# Altium PCB 2012_FDP_PCB.PcbDoc (part 2 of 3)
Units mil, origin at the board's own origin, x right, y up, seen from the top; angles counter-clockwise.
Board outline 5511.81 x 10236.22 mil, 4 copper layers (1-TOP, 2-GND, 3-SIGNAL, 4-BOT); 256 components, 200 nets, 1006 pads, 500 vias.
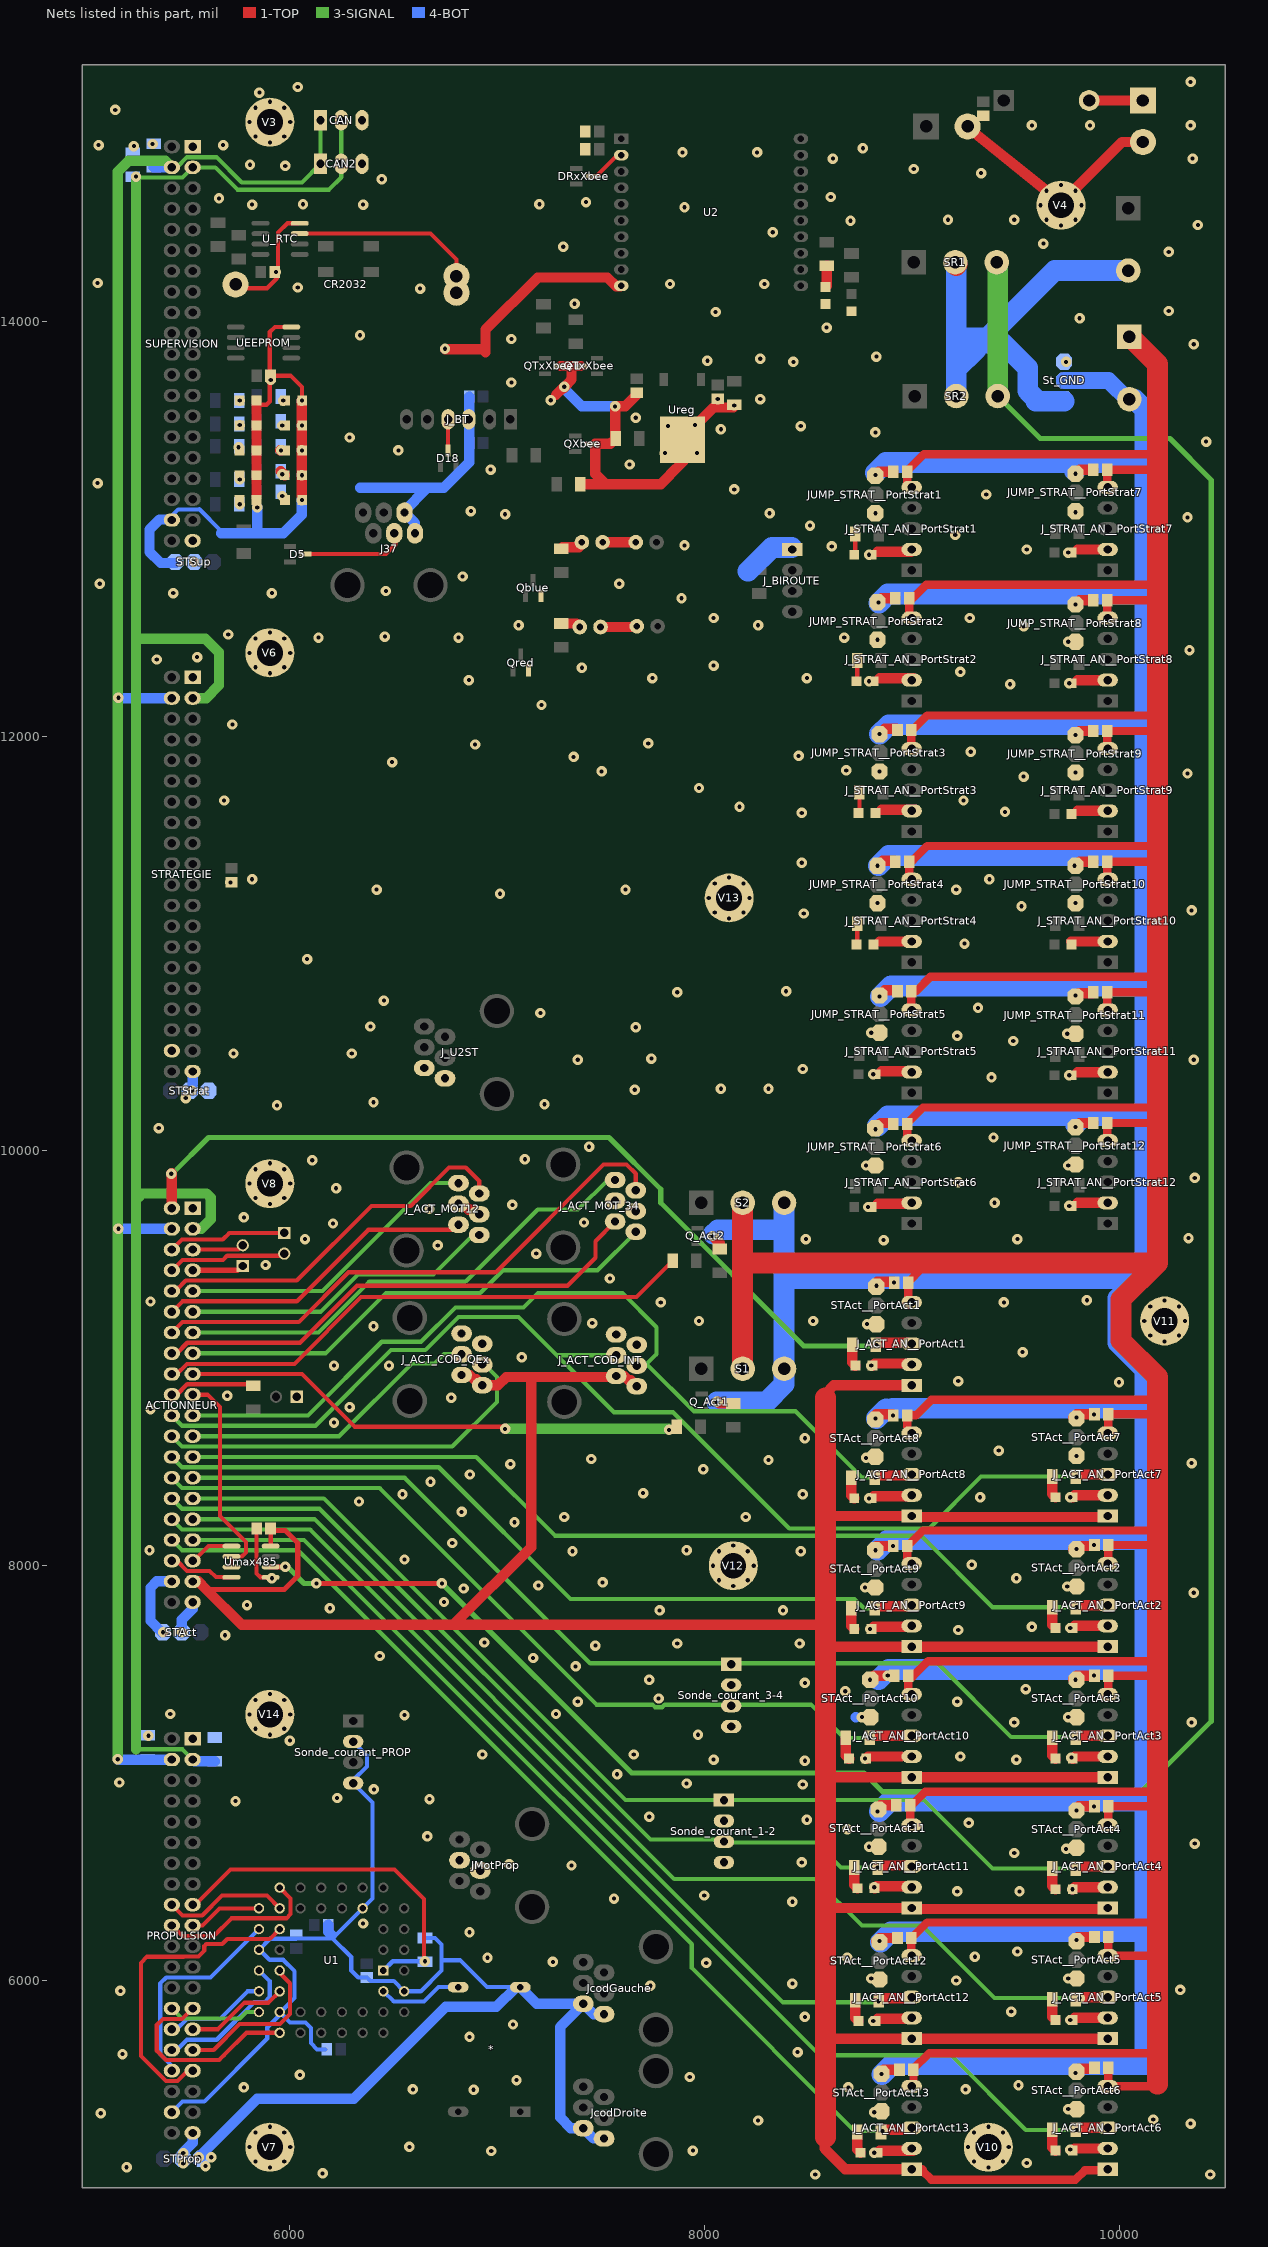
[diagram p4: the nets of this part, all layers, seen from the top]

## Via types
v1: diameter 50, hole 20, 1-TOP to 4-BOT, 500 vias

## Nets (pads, with @x,y where several pads share a name; then routed paths per layer and width w, separated by ;. In a path a pad name is that pad's centre, name@x,y a point inside that pad or via, vN(x,y) a via of type N, cw(c..) or ccw(c..) an arc to the next point about the centre after c; other vN are vias at no path point) (continued)
24V: Cd24strat_PortStrat1.1 Cd24strat_PortStrat2.1 Cd24strat_PortStrat3.1 Cd24strat_PortStrat4.1 Cd24strat_PortStrat5.1 Cd24strat_PortStrat6.1 Cd24strat_PortStrat7.1 Cd24strat_PortStrat8.1 Cd24strat_PortStrat9.1 Cd24strat_PortStrat10.1 Cd24strat_PortStrat11.1 Cd24strat_PortStrat12.1 CdAct__PortAct1.1 CdAct__PortAct2.1 CdAct__PortAct3.1 CdAct__PortAct4.1 CdAct__PortAct5.1 CdAct__PortAct6.1 CdAct__PortAct7.1 CdAct__PortAct8.1 CdAct__PortAct9.1 CdAct__PortAct10.1 CdAct__PortAct11.1 CdAct__PortAct12.1 CdAct__PortAct13.1 J_ACT_AN__PortAct1.5 J_ACT_AN__PortAct2.5 J_ACT_AN__PortAct3.5 J_ACT_AN__PortAct4.5 J_ACT_AN__PortAct5.5 J_ACT_AN__PortAct6.5 J_ACT_AN__PortAct7.5 J_ACT_AN__PortAct8.5 J_ACT_AN__PortAct9.5 J_ACT_AN__PortAct10.5 J_ACT_AN__PortAct11.5 J_ACT_AN__PortAct12.5 J_ACT_AN__PortAct13.5 J_STRAT_AN__PortStrat1.5 J_STRAT_AN__PortStrat2.5 J_STRAT_AN__PortStrat3.5 J_STRAT_AN__PortStrat4.5 J_STRAT_AN__PortStrat5.5 J_STRAT_AN__PortStrat6.5 J_STRAT_AN__PortStrat7.5 J_STRAT_AN__PortStrat8.5 J_STRAT_AN__PortStrat9.5 J_STRAT_AN__PortStrat10.5 J_STRAT_AN__PortStrat11.5 J_STRAT_AN__PortStrat12.5 JalimeBlal24V.1 S1.2 S2.2 | length 30368.1
  1-TOP w40: CdAct__PortAct8.1@8975,8725 CdAct__PortAct8.1@8978.46,8725 ; J_ACT_AN__PortAct9.5@8978.46,8036.54 CdAct__PortAct9.1@8978.46,8095 ; 8978.46,8671.54 CdAct__PortAct8.1@8978.46,8725 ; J_STRAT_AN__PortStrat6.5@8978.46,10071.54 Cd24strat_PortStrat6.1@8978.46,10130 ; Cd24strat_PortStrat1.1@8978.46,13275 8978.46,13211.54 J_STRAT_AN__PortStrat1.5@8985,13205 ; Cd24strat_PortStrat1.1@8980,13280 9060,13360 10140,13360 ; CdAct__PortAct1.1@8981.73,9366.73 9050,9435 ; J_ACT_AN__PortAct10.5@8983.46,7396.54 CdAct__PortAct10.1@8983.46,7470 ; J_ACT_AN__PortAct1.5@8983.46,9281.54 CdAct__PortAct1.1@8983.46,9365 ; CdAct__PortAct9.1@8985,8100 9055,8170 10145,8170 ; Cd24strat_PortStrat6.1@8985,10140 9055,10210 10145,10210 ; J_STRAT_AN__PortStrat4.5@8988.46,11321.54 Cd24strat_PortStrat4.1@8988.46,11395 ; J_STRAT_AN__PortStrat2.5@8988.46,12581.54 Cd24strat_PortStrat2.1@8988.46,12665 ; J_ACT_AN__PortAct11.5@8993.46,6771.54 CdAct__PortAct11.1@8993.46,6845 ; CdAct__PortAct11.1@8995,6840 9065,6910 10155,6910 ; J_ACT_AN__PortAct12.5@8998.46,6121.54 CdAct__PortAct12.1@8998.46,6205 ; J_STRAT_AN__PortStrat5.5@8998.46,10691.54 Cd24strat_PortStrat5.1@8998.46,10770 ; J_STRAT_AN__PortStrat3.5@8998.46,11951.54 Cd24strat_PortStrat3.1@8998.46,12030 ; CdAct__PortAct12.1@9000,6205 9075,6280 10160,6280 ; Cd24strat_PortStrat2.1@9000,12660 9070,12730 10160,12730 ; CdAct__PortAct10.1@9005,7465 9080,7540 10165,7540 ; Cd24strat_PortStrat4.1@9005,11400 9075,11470 10165,11470 ; Cd24strat_PortStrat3.1@9005,12030 9075,12100 10165,12100 ; J_ACT_AN__PortAct13.5@9008.46,5496.54 CdAct__PortAct13.1@9008.46,5570 ; CdAct__PortAct13.1@9010,5575 9085,5650 10170,5650 ; Cd24strat_PortStrat5.1@9020,10770 9090,10840 10180,10840 ; J_STRAT_AN__PortStrat12.5@9943.46,10056.54 Cd24strat_PortStrat12.1@9943.46,10135 10165,10135 ; J_STRAT_AN__PortStrat11.5@9943.46,10691.54 Cd24strat_PortStrat11.1@9943.46,10765 10185,10765 ; J_STRAT_AN__PortStrat10.5@9943.46,11311.54 Cd24strat_PortStrat10.1@9943.46,11395 10180,11395 ; J_STRAT_AN__PortStrat9.5@9943.46,11951.54 Cd24strat_PortStrat9.1@9943.46,12025 10180,12025 ; J_STRAT_AN__PortStrat8.5@9943.46,12581.54 Cd24strat_PortStrat8.1@9943.46,12655 10180,12655 ; J_STRAT_AN__PortStrat7.5@9943.46,13216.54 Cd24strat_PortStrat7.1@9943.46,13285 10145,13285 ; J_ACT_AN__PortAct6.5@9945,5490 10175,5490 ; J_ACT_AN__PortAct5.5@9945,6120 10155,6120 ; J_ACT_AN__PortAct6.5@9948.46,5496.54 CdAct__PortAct6.1@9948.46,5580 ; J_ACT_AN__PortAct5.5@9948.46,6123.46 CdAct__PortAct5.1@9948.46,6210 ; J_ACT_AN__PortAct4.5@9948.46,6761.54 CdAct__PortAct4.1@9948.46,6840 10165,6840 ; J_ACT_AN__PortAct3.5@9948.46,7398.46 CdAct__PortAct3.1@9948.46,7470 10155,7470 ; J_ACT_AN__PortAct2.5@9948.46,8016.54 CdAct__PortAct2.1@9948.46,8100 10175,8100 ; J_ACT_AN__PortAct7.5@9948.46,8641.54 CdAct__PortAct7.1@9948.46,8730 10175,8730 ; 10135,8800 9095,8800 9020,8725 CdAct__PortAct8.1@8978.46,8725
  1-TOP w100: S1.2@8185,8950 S2.2@8185,9750 ; 8195,9460 8750,9460 10185,9460 ; JalimeBlal24V.1@10055,13925 10185,13795 10185,10765 10185,9460 ; 10185,5500 10185,8910 10010,9085 10010,9285 10185,9460
ACT_5V: ACTIONNEUR.37 Cd_MAX485.2 J_ACT_AN__PortAct1.1 J_ACT_AN__PortAct2.1 J_ACT_AN__PortAct3.1 J_ACT_AN__PortAct4.1 J_ACT_AN__PortAct5.1 J_ACT_AN__PortAct6.1 J_ACT_AN__PortAct7.1 J_ACT_AN__PortAct8.1 J_ACT_AN__PortAct9.1 J_ACT_AN__PortAct10.1 J_ACT_AN__PortAct11.1 J_ACT_AN__PortAct12.1 J_ACT_AN__PortAct13.1 J_ACT_COD_INT.1 J_ACT_COD_INT.2 J_ACT_COD_QEx.1 J_ACT_COD_QEx.2 Umax485.8 | length 18354.1
  1-TOP w20: Umax485.8@5909.49,8094.41 Cd_MAX485.2@5909.49,8169.92
  1-TOP w25: ACTIONNEUR.37@5533.07,7924.41 ACTIONNEUR.37@5535.59,7924.41 ; 5595,7885 5600,7885 5975,7885 6040,7950 6040,8110 5980.08,8169.92 Cd_MAX485.2@5909.49,8169.92
  1-TOP w40: 9050,5085 9095,5040 9790,5040 9835,5085 J_ACT_AN__PortAct6.1@9940,5085
  1-TOP w50: ACTIONNEUR.37@5533.07,7924.41 5560.59,7924.41 5600,7885 5770,7715 6790,7715 ; J_ACT_COD_QEx.2@6830,8919.61 6868.83,8919.61 6889.81,8898.63 6901.37,8898.63 J_ACT_COD_QEx.1@6930,8870 7005,8870 7045,8910 7165,8910 ; J_ACT_COD_INT.1@7675,8865 7646.37,8893.63 7634.81,8893.63 7613.83,8914.61 J_ACT_COD_INT.2@7575,8914.61 7570.39,8910 7165,8910 ; 8580,5230 8580,5190 8680,5090 J_ACT_AN__PortAct13.1@9000,5090 ; 8585,7715 6790,7715 ; 8585,8830 8625,8870 J_ACT_AN__PortAct1.1@9000,8870 ; 8615,5720 J_ACT_AN__PortAct12.1@9000,5720 J_ACT_AN__PortAct5.1@9945,5720 ; 8620,6350 J_ACT_AN__PortAct11.1@9000,6350 ; 8620,6980 J_ACT_AN__PortAct10.1@9000,6980 J_ACT_AN__PortAct3.1@9945,6980 ; 8625,8240 J_ACT_AN__PortAct8.1@9000,8240 ; 8630,7610 J_ACT_AN__PortAct9.1@9000,7610 J_ACT_AN__PortAct2.1@9945,7610 ; J_ACT_AN__PortAct13.1@8995,5085 9050,5085 ; J_ACT_AN__PortAct11.1@8995,6345 J_ACT_AN__PortAct4.1@9940,6345 ; J_ACT_AN__PortAct8.1@8995,8235 J_ACT_AN__PortAct7.1@9940,8235 ; 6790,7715 7165,8090 7165,8910
  1-TOP w100: 8585,5245 8585,7715 8585,8810
ACT_IN_OUT1: ACTIONNEUR.2 J_ACT_AN__PortAct1.3 RledAct_PortAct1.1 | length 4242.3
  1-TOP w50: ACTIONNEUR.2@5433.07,9724.41 v1@5433.07,9891.93 ; RledAct_PortAct1.1@8837.09,9075 J_ACT_AN__PortAct1.3@8980,9075
  3-SIGNAL w25: v1(5430,9890) 5435,9890 5610,10065 6549,10065 6549.5,10064.5 7540.5,10064.5 7790,9815 7790,9750 8480,9060 v1@8835,9060
  other v1: 8830,9065
ACT_IN_OUT2: ACTIONNEUR.25 J_ACT_AN__PortAct2.3 RledAct_PortAct2.1 | length 4729
  1-TOP w50: RledAct_PortAct2.1@9792.09,7800 9802.09,7810 J_ACT_AN__PortAct2.3@9945,7810
  3-SIGNAL w20: ACTIONNEUR.25@5533.07,8524.41 6900.59,8524.41 7280,8145 9045,8145 9390,7800 v1(9795,7800) v1@9805,7800
ACT_IN_OUT3: ACTIONNEUR.27 J_ACT_AN__PortAct3.3 RledAct_PortAct3.1 Sonde_courant_3-4.1 | length 4942.7
  1-TOP w50: RledAct_PortAct3.1@9792.09,7170 9802.09,7180 J_ACT_AN__PortAct3.3@9945,7180
  3-SIGNAL w20: ACTIONNEUR.27@5533.07,8424.41 6555.59,8424.41 7450,7530 Sonde_courant_3-4.1@8110,7530 ; Sonde_courant_3-4.1@8115,7510 Sonde_courant_3-4.1@8130,7525 ; Sonde_courant_3-4.1@8125,7530 9125,7530 9480,7175 v1@9795,7175
  other v1: 9790,7170
ACT_IN_OUT4: ACTIONNEUR.29 J_ACT_AN__PortAct4.3 RledAct_PortAct4.1 Sonde_courant_1-2.1 | length 5158.1
  1-TOP w50: RledAct_PortAct4.1@9792.09,6540 9802.09,6550 J_ACT_AN__PortAct4.3@9945,6550
  3-SIGNAL w20: ACTIONNEUR.29@5533.07,8324.41 6165.59,8324.41 7620,6870 Sonde_courant_1-2.1@8095,6870 9060,6870 9390,6540 v1(9790,6540) v1@9795,6540
ACT_IN_OUT5: ACTIONNEUR.31 J_ACT_AN__PortAct5.3 RledAct_PortAct5.1 | length 5381.4
  1-TOP w50: RledAct_PortAct5.1@9802.09,5920 J_ACT_AN__PortAct5.3@9945,5920
  3-SIGNAL w20: ACTIONNEUR.31@5533.07,8224.41 6120.59,8224.41 7855,6490 8535,6490 8760,6265 9050,6265 9400,5915 v1(9810,5915) v1@9815,5915
ACT_IN_OUT6: ACTIONNEUR.33 J_ACT_AN__PortAct6.3 RledAct_PortAct6.1 | length 5597.2
  1-TOP w50: RledAct_PortAct6.1@9792.09,5280 9802.09,5290 J_ACT_AN__PortAct6.3@9945,5290
  3-SIGNAL w20: ACTIONNEUR.33@5533.07,8124.41 6070.59,8124.41 8555,5640 9190,5640 9550,5280 v1(9795,5280)
ACT_IN_OUT7: ACTIONNEUR.22 J_ACT_AN__PortAct7.3 J_ACT_COD_INT.4 RledAct_PortAct7.1 | length 5578
  1-TOP w50: RledAct_PortAct7.1@9792.09,8430 9802.09,8440 J_ACT_AN__PortAct7.3@9945,8440
  3-SIGNAL w20: ACTIONNEUR.22@5433.07,8724.41 5482.48,8675 6125,8675 6490,9040 6655,9040 6815,9200 7105,9200 7565,8740 7850,8740 8410,8180 9085,8180 9335,8430 v1(9795,8430) ; 7290,9015 J_ACT_COD_INT.4@7575,9015 J_ACT_COD_INT.4@7575,9004.96
ACT_IN_OUT8: ACTIONNEUR.21 J_ACT_AN__PortAct8.3 J_ACT_COD_INT.3 RledAct_PortAct8.1 | length 4233.4
  1-TOP w50: RledAct_PortAct8.1@8822.09,8425 8832.09,8435 J_ACT_AN__PortAct8.3@8975,8435
  3-SIGNAL w20: ACTIONNEUR.21@5533.07,8724.41 6089.41,8724.41 6445,9080 6635,9080 6800,9245 7129.23,9245 7199.23,9315 7605,9315 7770,9150 7770,9020 7722.5,8972.5 7950,8745 8440,8745 8760,8425 v1(8825,8425)
ACT_IN_OUT9: ACTIONNEUR.26 J_ACT_AN__PortAct9.3 RledAct_PortAct9.1 | length 3851.1
  1-TOP w50: RledAct_PortAct9.1@8822.09,7795 8832.09,7805 J_ACT_AN__PortAct9.3@8975,7805
  3-SIGNAL w20: ACTIONNEUR.26@5433.07,8524.41 5482.48,8475 6720,8475 7355,7840 8725,7840 8770,7795 v1(8825,7795)
ACT_IN_OUT10: ACTIONNEUR.28 J_ACT_AN__PortAct10.3 RledAct_PortAct10.1 Sonde_courant_3-4.3 | length 4058.5
  1-TOP w50: RledAct_PortAct10.1@8797.09,7170 8807.09,7180 8950,7180
  3-SIGNAL w20: ACTIONNEUR.28@5433.07,8424.41 5482.48,8375 6435,8375 7480,7330 7750.6,7330 7762.6,7318 7797.4,7318 7809.4,7330 8515,7330 8675,7170 v1@8805,7170
  other v1: 8800,7170
ACT_IN_OUT11: ACTIONNEUR.30 J_ACT_AN__PortAct11.3 RledAct_PortAct11.1 Sonde_courant_1-2.3 | length 4311
  1-TOP w50: RledAct_PortAct11.1@8837.09,6545 8847.09,6555 J_ACT_AN__PortAct11.3@8990,6555
  3-SIGNAL w20: ACTIONNEUR.30@5433.07,8324.41 5482.48,8275 6145,8275 7740,6680 8085,6680 8100,6665 8425,6665 ; 8435,6665 8425,6665 ; v1@8840,6545 v1(8835,6545) 8660,6545 8540,6665 8425,6665
ACT_IN_OUT12: ACTIONNEUR.32 J_ACT_AN__PortAct12.3 RledAct_PortAct12.1 | length 4533.9
  1-TOP w50: RledAct_PortAct12.1@8842.09,5905 8852.09,5915 J_ACT_AN__PortAct12.3@8995,5915
  3-SIGNAL w20: ACTIONNEUR.32@5433.07,8224.41 5482.48,8175 6100,8175 8380,5895 v1@8845,5895
  other v1: 8840,5900
ACT_IN_OUT13: ACTIONNEUR.34 J_ACT_AN__PortAct13.3 RledAct_PortAct13.1 | length 4840.8
  1-TOP w50: RledAct_PortAct13.1@8852.09,5270 8862.09,5280 J_ACT_AN__PortAct13.3@9005,5280
  3-SIGNAL w20: ACTIONNEUR.34@5433.07,8124.41 5482.48,8075 6040,8075 7940,6175 7940,6060 8725,5275 8855,5275 v1@8865,5285
  other v1: 8860,5275
ACT_PWM1: ACTIONNEUR.10 J_ACT_MOT12.5 | length 1824.6
  1-TOP w20: ACTIONNEUR.10@5433.07,9324.41 5462.03,9324.41 5460,9326.43 5460,9335 5500,9375 6035,9375 6395,9735 6585,9735 6770,9920 6850,9920 6915,9855 J_ACT_MOT12.5@6915,9795
ACT_PWM2: ACTIONNEUR.12 J_ACT_MOT12.2 | length 1556
  1-TOP w20: ACTIONNEUR.12@5433.07,9224.41 5483.66,9275 6035,9275 6379.87,9619.87 6790.27,9619.87 J_ACT_MOT12.2@6815,9644.61
ACT_PWM3: ACTIONNEUR.14 J_ACT_MOT_34.5 | length 2671.3
  1-TOP w20: ACTIONNEUR.14@5433.07,9124.41 5483.66,9175 6045,9175 6285,9415 6995,9415 7515,9935 7625,9935 7670,9890 J_ACT_MOT_34.5@7670,9810
ACT_PWM4: ACTIONNEUR.16 J_ACT_MOT_34.2 | length 2446.7
  1-TOP w20: ACTIONNEUR.16@5433.07,9024.41 5456.37,9024.41 5507.28,9075.32 6050.32,9075.32 6325,9350 7340,9350 7475,9485 7475,9564.61 J_ACT_MOT_34.2@7570,9659.61
ACT_QEA: ACTIONNEUR.24 J_ACT_COD_QEx.3 | length 1874.2
  3-SIGNAL w20: ACTIONNEUR.24@5433.07,8624.41 5482.48,8575 6785,8575 7000,8790 7000,8910 J_ACT_COD_QEx.3@6945,8965
ACT_QEB: ACTIONNEUR.23 J_ACT_COD_QEx.4 | length 1460.8
  3-SIGNAL w20: ACTIONNEUR.23@5533.07,8624.41 6239.41,8624.41 6590,8975 6700,8975 6745,9020 J_ACT_COD_QEx.4@6830,9020
ACT_RA14_INT3: ACTIONNEUR.6 J6.1 | length 570.3
  1-TOP w20: ACTIONNEUR.6@5433.07,9524.41 5482.16,9573.5 5678.5,9573.5 5710,9605 J6.1@5970,9605
ACT_RA15_INT4: ACTIONNEUR.5 J2.2 | length 250.5
  1-TOP w20: ACTIONNEUR.5@5533.07,9524.41 5754.41,9524.41 J2.2@5775,9545
ACT_RG2_SCL: ACTIONNEUR.7 J2.1 | length 245.5
  1-TOP w25: ACTIONNEUR.7@5533.07,9424.41 5749.41,9424.41 J2.1@5770,9445
ACT_RG3_SDA: ACTIONNEUR.8 J6.2 | length 585.3
  1-TOP w20: ACTIONNEUR.8@5433.07,9424.41 5483.66,9475 5680,9475 5700,9495 5890,9495 ; 5900,9495 5890,9495 ; J6.2@5975,9505 5965,9495 5890,9495
ACT_RG6: ACTIONNEUR.17 RQ_act1.2 | length 2397.3
  1-TOP w20: ACTIONNEUR.17@5533.07,8924.41 6060.59,8924.41 6315,8670 v1@7035,8670
  3-SIGNAL w50: v1(7040,8660) v1@7830,8660
  other v1: 7830,8655
ACT_RG7: ACTIONNEUR.18 RQ_act2.2 | length 2640.8
  1-TOP w20: ACTIONNEUR.18@5433.07,8924.41 5456.37,8924.41 5505.46,8973.5 6023.5,8973.5 6345,9295 7672.91,9295 RQ_act2.2@7847.91,9470
ACT_RG8: ACTIONNEUR.19 Umax485.2 Umax485.3 | length 1037.9
  1-TOP w20: ACTIONNEUR.19@5533.07,8824.41 5604.41,8824.41 5605,8825 5665,8765 5665,8240 5790,8115 5790,8064.41 5770,8044.41 Umax485.2@5720.51,8044.41 5720,8044.41 5720.51,8043.9 Umax485.3@5720.51,7994.41
ACT_RG9: ACTIONNEUR.20 RremoteServo.1 | length 392.9
  1-TOP w20: ACTIONNEUR.20@5433.07,8824.41 5456.37,8824.41 5506.96,8875 RremoteServo.1@5805,8875
ACT_SENS1: ACTIONNEUR.9 J_ACT_MOT12.6 | length 1497.6
  3-SIGNAL w20: ACTIONNEUR.9@5533.07,9324.41 6159.41,9324.41 6680,9845 J_ACT_MOT12.6@6815,9845
ACT_SENS2: ACTIONNEUR.11 J_ACT_MOT12.1 | length 1535.4
  3-SIGNAL w20: ACTIONNEUR.11@5533.07,9224.41 6149.41,9224.41 6330,9405 6695,9405 6885,9595 J_ACT_MOT12.1@6915,9595
ACT_SENS3: ACTIONNEUR.13 J_ACT_MOT_34.6 | length 2341.6
  3-SIGNAL w20: ACTIONNEUR.13@5533.07,9124.41 6139.41,9124.41 6385,9370 6850,9370 7197,9717 7392,9717 7535,9860 J_ACT_MOT_34.6@7570,9860
ACT_SENS4: ACTIONNEUR.15 J_ACT_MOT_34.1 | length 2379.5
  3-SIGNAL w20: ACTIONNEUR.15@5533.07,9024.41 6174.41,9024.41 6465,9315 6920,9315 7030,9425 7485,9425 J_ACT_MOT_34.1@7670,9610
ACT_U2RX: ACTIONNEUR.35 Umax485.1 | length 237.2
  1-TOP w20: ACTIONNEUR.35@5545,8030 5609.41,8094.41 Umax485.1@5720.51,8094.41 ; Umax485.1@5690,8094.41 Umax485.1@5720.51,8094.41 ; Umax485.1@5725,8094.41 Umax485.1@5720.51,8094.41
ACT_U2TX: ACTIONNEUR.36 Umax485.4 | length 374.8
  1-TOP w20: ACTIONNEUR.36@5433.07,8024.41 5456.37,8024.41 5505.46,7975.32 5564.09,7975.32 5564.41,7975 5615,7975 5645,7945 Umax485.4@5730,7945 ; Umax485.4@5680,7944.41 Umax485.4@5720.51,7944.41 Umax485.4@5725,7944.41
CAN_H: ACTIONNEUR.3 CAN2.2 CAN.2 PROPULSION.3 RcanB1.2 RcanB2.2 STRATEGIE.3 SUPERVISION.3 | length 10664
  3-SIGNAL w20: 5260,7115 5483.43,7115 PROPULSION.3@5533.07,7065.35 ; v1(5260,14698.07) 5264.64,14693.43 5483.98,14693.43 SUPERVISION.3@5533.07,14742.52 5642.48,14742.52 5750,14635 6190.2,14635 6250,14694.8 CAN2.2@6250,14760 CAN.2@6250,14970 CAN.2@6250,14980
  3-SIGNAL w50: 5260,7115 5260,12470 ; v1(5260,14698.07) 5260,12470 ; 5275,9780 5275,9785 5285,9795 5600,9795 5620,9775 5620,9670 5574.41,9624.41 ACTIONNEUR.3@5533.07,9624.41 ; STRATEGIE.3@5533.07,12183.46 5598.46,12183.46 5660,12245 5660,12405 5595,12470 5260,12470
  4-BOT w50: PROPULSION.3@5535,7065 5542.09,7057.91 RcanB1.2@5640,7057.91
CAN_L: ACTIONNEUR.4 CAN2.1 CAN.1 PROPULSION.4 RcanB3.1 RcanB4.1 STRATEGIE.4 SUPERVISION.4 | length 9832.9
  3-SIGNAL w20: SUPERVISION.4@5433.07,14742.52 5456.37,14742.52 5505.46,14791.61 5648.39,14791.61 5770,14670 6060,14670 CAN2.1@6150,14760 CAN.1@6150,14970
  3-SIGNAL w50: v1(5172.28,7067.2) 5172.28,14722.28 5225,14775 5400.59,14775 SUPERVISION.4@5433.07,14742.52
  4-BOT w50: v1@5175.35,7065.35 PROPULSION.4@5433.07,7065.35 ; v1@5180,12185 5181.54,12183.46 STRATEGIE.4@5433.07,12183.46 ; v1@5185,9625 5185.59,9624.41 ACTIONNEUR.4@5433.07,9624.41 ; RcanB4.1@5345,14742.91 SUPERVISION.4@5432.09,14742.91
  other v1: 5175,9625 5175,12185
CDE_SERVO: SR1.3 SR2.3 Umax485.6 | length 12939.7
  1-TOP w25: Umax485.6@5909.49,7994.41 v1@5960,7994.41 ; v1(6130,7915) v1(6735,7915) ; SR1.3@9415,14280 SR1.3@9425,14290
  3-SIGNAL w25: v1@5985,8000 6070,7915 v1(6130,7915) ; v1(6735,7915) 7650,7000 8770,7000 8860,6910 10105,6910 10445,7250 10445,13235 10245,13435 9620,13435 SR2.3@9415,13640
  3-SIGNAL w100: SR2.3@9415,13640 SR1.3@9415,14280
  other v1: 5980,7995
CPLD_CLOCK: *.8 U1.43 | length 419.7
  4-BOT w20: U1.43@6453.07,5948.15 6503.07,5898.15 6648.07,5898.15 6718.07,5968.15 *.8@6823.07,5968.15
CPLD_COM_1: PROPULSION.18 U1.19 | length 606.3
  1-TOP w20: PROPULSION.18@5433.07,6365.35 5483.98,6314.44 5579.44,6314.44 5675,6410 5891.22,6410 U1.19@5953.07,6348.15
CPLD_COM_2: PROPULSION.19 U1.18 | length 354.6
  1-TOP w20: PROPULSION.19@5533.07,6265.35 5579.65,6265.35 5580,6265 5663.15,6348.15 U1.18@5853.07,6348.15
CPLD_COM_3: PROPULSION.20 U1.17 | length 809.2
  1-TOP w20: PROPULSION.20@5456.37,6265.35 PROPULSION.20@5433.07,6265.35 5483.43,6215 5635,6215 5720,6300 5985,6300 6005,6320 6005,6396.22 U1.17@5953.07,6448.15
CPLD_OUT_0: PROPULSION.34 U1.20 | length 1028.8
  4-BOT w20: PROPULSION.34@5433.07,5565.35 5433.07,5588.65 5376.7,5645.02 5376.7,5985.69 5406.01,6015 5619.92,6015 U1.20@5853.07,6248.15
CPLD_OUT_1: PROPULSION.33 U1.21 | length 1512.4
  1-TOP w20: PROPULSION.33@5533.07,5565.35 5509.77,5565.35 5460.69,5516.27 5405.46,5516.27 5285,5636.72 5285,6085 5283.93,6085 5313.93,6115 5490.13,6115 5491.4,6116.27 5560.69,6116.27 5589.44,6145.02 5589.44,6166.37 5599.1,6176.03 5676.03,6176.03 5700,6200 5904.92,6200 ; 5908.07,6203.15 U1.21@5953.07,6248.15
CPLD_OUT_2: PROPULSION.32 U1.24 | length 728.2
  4-BOT w20: PROPULSION.32@5433.07,5665.35 5456.37,5665.35 5505.46,5714.44 5649.44,5714.44 5830,5895 5880,5895 5905,5920 5905,5998.15 5903.07,5998.15 U1.24@5853.07,6048.15
CPLD_OUT_3: PROPULSION.31 U1.25 | length 771.9
  1-TOP w20: PROPULSION.31@5533.07,5665.35 5635,5665.35 5759.8,5790.15 5954.47,5790.15 6003.07,5838.75 6003.07,5986.93 5953.07,6036.93 U1.25@5953.07,6048.15
CPLD_OUT_4: PROPULSION.30 U1.26 | length 495.7
  4-BOT w20: PROPULSION.30@5433.07,5765.35 5456.37,5765.35 5505.46,5814.44 5589.44,5814.44 5590,5815 5665,5815 5798.15,5948.15 U1.26@5853.07,5948.15
CPLD_OUT_5: PROPULSION.29 U1.27 | length 495.7
  1-TOP w20: PROPULSION.29@5533.07,5765.35 5655.28,5765.35 5783.07,5893.15 5898.07,5893.15 U1.27@5953.07,5948.15